# KiCad board 8851_HW-U1-VCU118_REV2-0_071417.kicad_pcb (continued)
## Routing (per net, layer and track width the routed paths; a pad name or vN(x,y) marks a point on that pad's centre or on a via; arc(x,y) is an arc through that point) (continued)
; 119.82,61.36 v2(120.31,60.87) ; U1.AE11 v2(103.58,62.84) ; v2(126.22,52.99) 125.73,53.49 ; 39.62,129.81 v3(39.62,129.08) ; J2.D3 v3(171.65,159.5) ; 122.77,44.63 v2(123.26,44.14) ; U141.K8 v2(93.73,111.54) ; 109.98,46.6 v2(109.49,46.11) ; v2(119.33,68.74) 118.84,68.25 ; 132.62,86.95 v2(133.11,87.44) ; 112.93,70.22 v2(112.44,70.71) ; 18.01,131.66 v6(18.41,131.27) ; R1324.2 v3(7.22,87.23) ; 124.74,44.63 v2(125.23,44.14) ; 161.38,92.77 v1(160.98,93.16) ; v2(113.42,58.9) 113.91,59.39 ; v2(122.28,80.55) 121.79,80.06 ; 66.52,96.17 66.52,95.81 66.83,95.5 v1(67.28,95.5) ; v2(125.23,50.04) 124.74,50.53 ; J22.Y9 v3(95.25,153.25) ; J2.B10 v3(162.9,157) ; J22.Y29 v3(70.25,153.25) ; 137.54,57.42 v2(138.03,56.93) ; J2.D28 v3(140.4,159.5) ; v2(112.44,51.03) U1.AU20 ; C555.2 70.15,56.16 ; v3(28.3,124.13) 29.77,124.13 30.05,124.4 30.05,124.75 29.8,125 v3(28.3,125) ; 95.21,60.38 v2(94.72,59.88) ; J22.L10 v3(94,168.25) ; v2(98.66,45.12) U1.BC6 ; 21.16,137.96 v6(21.56,138.36) ; 214.21,99.88 213.43,99.88 v2(213.14,100.17) ; v2(126.22,79.57) 125.73,79.08 ; U111.K10 v6(17.62,130.48) ; J22.L3 v3(102.75,168.25) ; J22.C28 v3(71.5,158.25) ; v2(114.41,52.01) 114.9,52.5 ; J22.A36 v3(61.5,155.75) ; R96.2 5.29,134.55 5.32,134.58 Q35.2 5.62,135.05 v3(6,135.43) ; 107.02,51.52 v2(106.53,51.03) ; 158.55,112.39 158.55,110.85 159.17,110.22 v3(159.92,110.22) ; v3(118.46,113.66) 116.5,113.66 ; v2(96.69,53.98) 97.18,54.47 ; J2.H15 v3(156.65,164.5) ; v3(148.75,109.17) 148.06,109.17 147.44,109.8 147.44,110.14 147.17,110.41 145.85,110.41 v3(145.08,109.65) ; J2.H24 v3(145.4,164.5) ; J22.Z3 v3(102.75,154.5) ; 57.13,85.17 v3(56.5,85.17) ; 122.17,138.84 123.08,138.84 v3(123.25,138.67) ; v3(35.02,101.41) 35.56,101.95 36.43,101.95 35.56,102.83 v3(35.04,102.83) ; 156.65,58.72 v1(156.26,58.32) ; v2(111.45,47.09) 111.95,47.58 ; v3(99.9,105.93) 101.03,105.93 101.33,106.23 101.33,106.63 101.03,106.93 100.09,106.93 v2(99.99,107.03) ; J2.G1 v3(174.15,163.25) ; v2(115.39,52.01) U1.AT23 ; 152.71,64.23 v1(152.32,64.62) ; J2.C28 v3(140.4,158.25) ; 74.63,117.78 v2(75.12,118.27) ; U1.AV37 v2(130.15,50.04) ; 68.72,108.92 v2(68.23,108.43) ; 215.71,95.65 v4(215.71,96.64) ; v2(101.61,58.9) 102.1,59.39 ; J22.A1 v3(105.25,155.75) ; v3(83.99,55.05) 83.99,55.05 C1756.2 ; J2.F24 v3(145.4,162) ; U2.A49 94.14,5.41 v3(93.65,5.9) ; J22.E29 v3(70.25,160.75) ; 111.95,79.08 v2(111.45,79.57) ; J2.K27 v3(141.65,167) ; v3(104,168.25) J22.L2 ; J22.Y8 v3(96.5,153.25) ; v1(67.28,89.99) 67.23,90.04 66.52,90.04 ; v2(120.31,79.57) 119.82,79.08 ; J22.J17 v3(85.25,165.75) ; J22.L38 v3(59,168.25) ; 129.66,84.98 v2(130.15,85.48) ; 71.68,115.81 v2(71.18,116.31) ; J22.D7 v3(97.75,159.5) ; v2(126.22,73.66) 125.73,73.17 ; J22.A20 v3(81.5,155.75) ; 156.65,44.84 v1(156.26,44.45) ; v2(137.04,86.46) 136.55,85.97 ; U1.BA38 v2(131.14,47.09) ; J22.J5 v3(100.25,165.75) ; J2.B38 v3(127.9,157) ; U1.D23 v2(115.39,84.49) ; 16.44,128.51 v6(16.83,128.12) ; 14.08,127.73 v6(13.68,127.33) ; U1.BD46 v2(139.01,44.14) ; J2.E26 v3(142.9,160.75) ; J2.A37 v3(129.15,155.75) ; J22.Y16 v3(86.5,153.25) ; Q43.5 v3(225.03,45.22) ; J22.F24 v3(76.5,162) ; 229.3,39.27 230.27,38.3 ; 229.3,39.27 228.33,40.24 ; 229.3,39.27 228.33,38.3 ; 229.3,39.27 228,39.27 ; 229.3,39.27 230.27,40.24 ; v2(131.14,44.14) 130.65,44.63 ; J22.H15 v3(87.75,164.5) ; J2.D39 v3(126.65,159.5) ; J22.G23 v3(77.75,163.25) ; v2(97.67,44.14) 98.17,44.63 ; 159.8,65.02 v1(159.41,65.41) ; v2(113.42,65.79) 113.91,65.3 ; 70.69,116.8 v2(70.2,117.29) ; 105.06,50.53 v2(104.56,50.04) ; J2.C24 v3(145.4,158.25) ; J2.C16 v3(155.4,158.25) ; 118.84,46.6 v2(119.33,46.11) ; 83.16,119.68 v3(82.4,119.68) ; v3(8.6,66.38) 8.87,66.64 9.87,66.64 ; v2(111.45,76.62) U1.M19 ; 132.62,47.58 v2(133.11,47.09) ; v3(81.62,81.07) 81.64,81.05 82.26,81.05 ; 34.98,129.74 v3(34.98,129.08) ; U141.D6 v2(90.78,118.43) ; J22.C24 v3(76.5,158.25) ; v3(81.56,57.42) 82.26,57.42 82.26,56.3 ; v2(99.64,65.79) 100.13,65.3 ; 121.49,31.76 v3(121.49,33.16) ; 121.49,31.76 120.11,31.76 ; 121.49,31.76 122.61,31.76 122.61,32.99 v3(122.85,33.23) ; J22.M36 v3(61.5,169.5) ; J2.E40 v3(125.4,160.75) ; U141.D2 v2(86.84,118.43) ; J2.F2 v3(172.9,162) ; J22.B10 v3(94,157) ; J22.K21 v3(80.25,167) ; v2(114.41,72.68) 114.9,72.19 ; 160.59,86.47 v1(160.98,86.07) ; v2(138.03,86.46) U1.B45 ; J22.F33 v3(65.25,162) ; U111.H10 v6(17.62,132.84) ; 215.71,105.9 v3(215.71,106.84) ; 112.93,81.05 v2(112.44,81.54) ; v3(12.69,117.06) 12.69,116.64 12.89,116.43 U124.A1 ; R460.2 v3(201.85,143.42) ; 72.77,64.4 v1(72.77,65.03) ; v2(96.69,82.52) U1.F4 ; 127.69,47.58 v2(128.19,47.09) ; v3(139.84,105.42) 139.84,104.96 140.15,104.65 141.45,104.65 141.76,104.34 141.76,103.67 141.76,102.42 ; v3(67.28,115.12) 66.15,115.12 65.78,114.76 66.33,114.2 v3(67.24,114.2) ; v2(125.23,66.77) 124.74,66.28 ; 82.26,79.8 81.64,79.8 v3(81.62,79.78) ; v2(97.67,43.15) 98.17,43.64 ; J22.M13 v3(90.25,169.5) ; 119.82,84 v2(120.31,84.49) ; 74.63,120.74 v2(75.12,121.23) ; J22.C12 v3(91.5,158.25) ; 107.02,84.98 v2(106.53,85.48) ; J2.K12 v3(160.4,167) ; 106.04,57.42 106.04,57.42 v2(105.55,56.93) ; v2(100.63,51.03) U1.AU8 ; 80.53,119.75 v2(81.03,120.24) ; v2(117.36,70.71) 116.87,70.22 ; v3(81.62,84.76) 81.62,84.78 81.64,84.8 82.26,84.8 ; v2(137.04,47.09) U1.BA44 ; 55.04,24.08 54.03,23.06 55.39,23.06 ; v2(138.03,84.49) U1.D45 ; 158.23,65.02 v1(157.83,65.41) ; v2(98.66,78.59) 99.15,78.09 ; v3(104,154.5) J22.Z2 ; 159.8,72.59 v1(160.19,72.2) ; U111.K7 v6(14.47,130.48) ; v3(52.55,137.98) 52.55,138 52.92,138.37 U19.12 ; J2.C17 v3(154.15,158.25) ; J22.A29 v3(70.25,155.75) ; v2(98.66,57.92) 99.15,58.41 ; 111.95,83.01 v2(111.45,83.51) ; J22.B3 v3(102.75,157) ; J22.L34 v3(64,168.25) ; v2(113.42,48.07) U1.AY21 ; 117.85,76.12 v2(118.34,76.62) ; v2(106.53,44.14) 107.02,44.63 ; J2.G20 v3(150.4,163.25) ; v2(136.06,73.66) 135.57,73.17 ; v3(147.88,103.38) 148.08,103.38 148.28,103.18 148.28,102.75 ; v3(63.47,83.05) 62.7,83.05 C519.2 62.59,83.81 v3(63.46,83.81) ; J2.B14 v3(157.9,157) ; 96.58,99.42 96.63,99.47 96.63,100.2 v3(96.58,100.25) ; J22.K33 v3(65.25,167) ; v2(138.03,67.76) 137.54,67.27 ; 82.26,88.42 81.67,88.42 v3(81.62,88.47) ; v3(60.02,129.03) 60.02,129.38 59.56,129.84 58.98,129.84 ; J2.G17 v3(154.15,163.25) ; 117.85,63.33 v2(118.34,62.84) ; v3(177.19,66.92) 176.94,66.67 C166.2 ; v3(124.82,107.22) 124.82,106.09 124.14,105.4 123.42,106.12 v3(123.42,107.22) ; v2(111.45,43.15) 111.95,43.64 ; J22.J35 v3(62.75,165.75) ; J2.J35 v3(131.65,165.75) ; U142.K2 v2(69.21,111.38) ; 152.71,50.35 v1(152.32,50.75) ; v3(91.55,100.17) 91.55,100.08 91.58,100.05 91.58,99.42 ; J22.J32 v3(66.5,165.75) ; v2(127.2,49.06) U1.AW34 ; v2(98.66,49.06) U1.AW6 ; v2(132.12,82.52) 131.63,82.03 ; J2.E1 v3(174.15,160.75) ; v2(134.09,79.57) U1.J41 ; J2.K3 v3(171.65,167) ; J22.D10 v3(94,159.5) ; v2(134.09,82.52) U1.F41 ; X6.2 165.77,23.28 v3(166.04,23.55) ; v3(98.01,100.19) 98.01,100.14 97.97,100.1 97.97,100.09 97.83,99.95 97.83,99.42 ; v3(44.44,144.51) 44.27,144.33 44.27,143.84 ; J2.C20 v3(150.4,158.25) ; 100.47,128.08 J105.6 101.44,128.41 ; v2(121.3,70.71) 120.8,70.22 ; 156.65,86.47 v1(156.26,86.07) ; 123.76,44.63 v2(124.25,44.14) ; 109.98,63.33 v2(109.49,62.84) ; 155.08,73.38 v1(154.68,72.99) ; U141.L9 v2(94.71,110.55) ; 82.26,63.55 v3(81.62,63.55) ; 7.05,139.29 v3(7.92,139.29) ; v3(225.28,46.18) 224.96,45.86 Q43.6 ; v2(112.44,87.44) 112.93,86.95 ; 99.15,82.03 v2(98.66,82.52) ; 66.52,40.67 66.52,40.17 v3(66.32,39.97) ; 70.01,87.8 70.01,87.29 v3(71.04,86.26) ; v2(125.23,78.59) 124.74,78.09 ; v2(102.6,45.12) 103.09,45.61 ; v2(113.42,42.17) 113.91,42.66 ; Q3.2 v3(3.5,127.95) ; v3(208.75,53.72) 209.04,54.02 209.04,54.55 ; U141.E1 v2(85.85,117.44) ; v2(125.23,86.46) 124.74,85.97 ; J22.L18 v3(84,168.25) ; J22.E26 v3(74,160.75) ; J2.A9 v3(164.15,155.75) ; 117.85,52.5 v2(118.34,52.01) ; 154.29,37.02 v1(153.9,37.41) ; EMICAGE1.13 v3(221.08,123.55) ; 106.04,77.11 v2(105.55,77.6) ; v3(143.23,118.86) 143.23,119.29 143.62,119.68 ; v3(132.57,145.28) 131.61,145.28 130.94,144.6 C957.2 131.64,143.45 v3(132.57,143.45) ; 44.07,171.1 46.18,171.1 ; 44.07,171.1 41.96,171.1 ; 44.07,171.1 45.62,169.56 ; v2(126.22,84.49) U1.D33 ; U141.G8 v2(93.73,115.47) ; J2.G29 v3(139.15,163.25) ; 158.23,30.72 v1(157.83,30.32) ; v3(72.34,98.82) 72.19,98.82 72.07,98.94 72.07,99.52 ; U1.C41 v2(134.09,85.48) ; v2(100.63,50.04) 101.12,50.53 ; 200.38,144.55 v3(200.38,143.68) ; 155.86,32.29 v1(155.47,32.68) ; 80.54,109.91 v2(81.03,109.41) ; J22.C38 v3(59,158.25) ; 105.06,85.97 v2(104.56,86.46) ; v2(101.61,85.48) 102.1,84.98 ; 214.21,112.25 v2(213.34,112.25) ; C190.2 46.73,128.83 v3(47.25,128.3) ; v2(100.63,44.14) 101.12,44.63 ; v2(117.36,68.74) 116.87,68.25 ; 121.79,78.09 v2(122.28,78.59) ; U111.L5 v6(12.9,129.69) ; v2(124.25,78.59) 123.76,78.09 ; J22.B19 v3(82.75,157) ; U1.D41 v2(134.09,84.49) ; 155.86,44.84 v1(155.47,44.45) ; v3(126.92,29.7) 126.62,30 126.62,30.81 ; U1.K15 v2(107.52,78.59) ; U1.E20 v2(112.44,83.51) ; 134.58,86.95 v2(135.08,87.44) ; 103.09,85.97 v2(102.6,86.46) ; 159.8,58.72 v1(160.19,58.32) ; EMICAGE1.5 v3(176.91,77.5) ; 77.58,113.85 v2(78.07,113.35) ; J22.C29 v3(70.25,158.25) ; v2(128.19,43.15) 127.69,43.64 ; 155.86,50.35 v1(155.47,50.75) ; v3(47.83,134.6) 48.33,135.1 48.7,135.1 48.95,135.35 48.95,135.63 48.71,135.88 48.2,135.88 v3(47.75,135.43) ; 129.66,84 v2(130.15,84.49) ; v2(97.67,71.7) U1.U5 ; 129.66,61.36 v2(130.15,60.87) ; v3(211.71,110.75) 211.31,111.14 210.59,111.14 ; C700.2 70.15,97.78 ; J22.B39 v3(57.75,157) ; 134.58,47.58 v2(135.08,47.09) ; v3(132.15,96.67) 132.06,96.67 131.97,96.76 131.69,96.76 130.69,97.76 C169.2 131.43,99.04 v3(132.13,99.04) ; 158.23,86.47 v1(157.83,86.07) ; 73.07,102.89 72.82,102.64 v3(72.82,102.18) ; v2(133.11,82.52) 132.62,82.03 ; 121.79,57.42 121.79,57.42 v2(122.28,56.93) ; C1235.2 66.72,111.98 v3(66.72,111.3) ; 200.66,153.47 v3(199.91,154.22) ; 159.8,78.89 v1(159.41,79.28) ; J2.G38 v3(127.9,163.25) ; U141.A12 v2(97.67,121.38) ; 169.11,38.31 168.55,38.31 168.18,38.68 v3(168.07,38.68) ; v2(118.34,80.55) 117.85,80.06 ; U133.10 v3(150.65,18.27) ; 121.79,42.66 v2(122.28,43.15) 121.79,43.64 ; v2(114.41,44.14) 114.9,44.63 ; 122.77,46.6 v2(123.26,46.11) ; 114.75,27.11 116.13,27.11 116.48,27.46 v3(116.48,27.68) ; 169.12,41.04 168.31,41.04 v3(168.2,41.15) ; v2(102.6,55.95) U1.AM10 ; v2(115.39,57.92) U1.AK23 ; J2.D25 v3(144.15,159.5) ; 115.88,75.14 v2(115.39,75.63) ; 125.31,137.65 v3(125.31,136.57) ; v3(114.08,110.1) 114.2,109.98 114.2,109.17 C462.2 112.7,108.4 112.7,110.1 v3(112.7,110.1) ; v2(139.01,63.82) U1.AD46 ; J22.D19 v3(82.75,159.5) ; 106.04,84.98 v2(105.55,85.48) ; J2.J8 v3(165.4,165.75) ; J2.G4 v3(170.4,163.25) ; U141.B2 v2(86.84,120.4) ; 156.65,30.72 v1(156.26,30.32) ; 124.74,56.44 v2(125.23,55.95) ; 128.68,50.53 v2(129.17,50.04) ; J22.K15 v3(87.75,167) ; J2.A17 v3(154.15,155.75) ; v2(119.33,82.52) 118.84,82.03 ; v6(16.83,127.33) 16.44,127.73 ; v3(82.08,27.3) X5.2 ; J2.K21 v3(149.15,167) ; 38.8,116.21 38.8,117.23 v3(39,117.42) ; v2(130.15,82.52) U1.F37 ; v3(77.8,19.25) 78.13,19.58 78.13,20.18 ; J22.Z10 v3(94,154.5) ; v3(151.65,157) J2.B19 ; 119.82,57.42 119.82,57.42 v2(120.31,56.93) ; v3(114.65,100.17) 114.62,100.14 114.62,99.42 ; J2.A25 v3(144.15,155.75) ; Q41.2 v3(207.4,152.75) ; U1.AU10 v2(102.6,51.03) ; v3(167.47,99.97) 167.47,99.22 166.94,98.69 C170.2 166.94,97.86 167.5,97.3 v3(168.12,97.3) ; v2(128.19,81.54) 127.69,81.05 ; J2.F6 v3(167.9,162) ; U141.B12 v2(97.67,120.4) ; J2.C36 v3(130.4,158.25) ; v3(124.41,5.9) 124.66,5.65 U2.B80 ; J22.M25 v3(75.25,169.5) ; J2.E38 v3(127.9,160.75) ; J22.Z39 v3(57.75,154.5) ; J22.B23 v3(77.75,157) ; v2(110.47,57.92) 110.96,58.41 ; v3(145.83,99.19) 146.48,98.54 148.38,98.54 ; J2.A40 v3(125.4,155.75) ; EMICAGE1.16 v3(180.29,121.78) ; 126.71,46.6 v2(127.2,46.11) ; v2(108.5,68.74) 108.99,68.25 ; 155.08,87.25 v1(154.68,86.86) ; J22.Z14 v3(89,154.5) ; 45.71,83.9 v3(45.71,82.61) ; J22.D6 v3(99,159.5) ; 97.18,84.98 v2(96.69,85.48) ; 98.17,81.05 v2(97.67,81.54) ; 140.12,30.68 v3(140.12,29.93) ; v2(119.33,70.71) 118.84,70.22 ; v3(38,143.48) 37.62,143.86 C78.2 ; J2.G11 v3(161.65,163.25) ; v2(132.12,44.14) U1.BD39 ; J22.H6 v3(99,164.5) ; v2(103.58,44.14) 104.07,44.63 ; U1.H21 v2(113.42,80.55) ; J22.M17 v3(85.25,169.5) ; J22.J23 v3(77.75,165.75) ; v3(110.94,105.79) 110.94,104.68 110.05,103.8 109.18,104.67 v3(109.18,105.79) ; 100.92,99.42 v3(100.92,100.17) ; J22.K9 v3(95.25,167) ; J22.L15 v3(87.75,168.25) ; v3(81.38,89.51) 81.28,89.51 80.38,88.6 80.2,88.6 80.02,88.42 78.89,88.42 ; U1.AR1 v2(93.74,52.99) ; J2.B23 v3(146.65,157) ; 134.58,46.6 v2(135.08,46.11) ; 162.16,72.59 v1(162.56,72.2) ; J2.B7 v3(166.65,157) ; J2.C34 v3(132.9,158.25) ; J2.J26 v3(142.9,165.75) ; J22.E23 v3(77.75,160.75) ; 24.58,88.9 24.58,90.2 ; 24.58,88.9 23.61,87.93 ; 24.58,88.9 23.28,88.9 ; 24.58,88.9 23.61,89.87 ; 24.58,88.9 25.55,87.93 ; U1.D13 v2(105.55,84.49) ; v2(113.42,43.15) 113.91,43.64 ; v3(104,157) J22.B2 ; v2(110.47,86.46) 110.96,85.97 ; J22.C8 v3(96.5,158.25) ; v2(137.04,59.88) U1.AH44 ; 161.38,65.02 v1(160.98,65.41) ; J22.E32 v3(66.5,160.75) ; 214.21,82 v3(213.47,82) ; v2(100.63,85.48) 101.12,84.98 ; v3(80.85,42.95) 81.18,42.62 81.74,42.62 ; EMICAGE1.7 v3(201.91,77.5) ; J2.K30 v3(137.9,167) ; U1.BA3 v2(95.71,47.09) ; v2(135.08,82.52) 134.58,82.03 ; 104.07,47.58 v2(103.58,47.09) ; J22.C4 v3(101.5,158.25) ; J22.Z11 v3(92.75,154.5) ; 120.11,31.76 118.86,31.76 ; v3(67,106.38) 66.04,106.38 65.51,106.92 66.04,107.45 66.85,107.45 v3(67.03,107.27) ; v2(95.71,42.17) U1.BF3 ; J22.G26 v3(74,163.25) ; 127.69,52.5 v2(128.19,52.01) ; 121.79,61.36 v2(122.28,60.87) ; 79.55,111.88 v2(80.04,111.38) ; J2.K6 v3(167.9,167) ; J2.K33 v3(134.15,167) ; U1.AC17 v2(109.49,65.79) ; J22.E40 v3(56.5,160.75) ; J22.A21 v3(80.25,155.75) ; 117.85,57.42 117.85,57.42 v2(118.34,56.93) ; v3(7.21,115.68) 7.21,116.81 7.48,117.08 8.07,117.08 8.46,116.68 v3(8.46,115.68) ; v2(134.09,42.17) U1.BF41 ; 108.99,86.95 v2(108.5,87.44) ; v2(97.67,49.06) 98.17,49.55 ; J22.F15 v3(87.75,162) ; 156.65,31.5 v1(156.26,31.11) ; v2(110.47,85.48) 110.96,84.98 ; v2(136.06,85.48) 135.57,84.98 ; v2(124.25,58.9) 123.76,59.39 ; J22.Y17 v3(85.25,153.25) ; J22.Y25 v3(75.25,153.25) ; J22.H27 v3(72.75,164.5) ; v3(88.95,100.17) 89.08,100.05 89.08,99.42 ; 168.8,25.52 v3(166.87,25.52) ; J22.E11 v3(92.75,160.75) ; J2.D35 v3(131.65,159.5) ; v2(115.39,54.96) 115.88,55.46 ; v2(122.28,54.96) 121.79,55.46 ; U141.M2 v2(86.84,109.57) ; v3(52.75,127.43) 52.75,128.15 52.33,128.57 51.87,128.11 v3(51.87,127.43) ; U111.E7 v6(14.47,135.21) ; 159.63,14.85 v3(159.63,14.16) ; 121.79,63.33 v2(122.28,62.84) ; v3(74.21,5.9) 74.46,5.65 U2.B29 ; v4(215.51,89.8) 215.71,90 215.71,90.97 ; 130.65,85.97 v2(131.14,86.46) ; 120.8,64.31 v2(121.3,63.82) ; v3(14.28,147.53) 14.28,146.75 13.65,146.13 13.03,146.75 v3(13.03,147.53) ; v2(95.71,56.93) 96.2,57.42 U1.AL3 ; J2.H27 v3(141.65,164.5) ; 83.25,54.03 v3(83.98,54.03) ; J22.D39 v3(57.75,159.5) ; v2(112.44,45.12) 112.93,45.61 ; U141.N13 v2(98.65,108.59) ; v5(52.61,57.49) 52.41,57.68 51.16,57.68 ; v2(111.45,85.48) 111.95,84.98 ; J2.B26 v3(142.9,157) ; J22.Y20 v3(81.5,153.25) ; v3(130.53,29.44) 130,29.96 129.39,29.96 129,30.35 129,30.68 ; 152.71,73.38 v1(152.32,72.99) ; J2.C4 v3(170.4,158.25) ; v2(102.6,80.55) U1.H10 ; J22.G4 v3(101.5,163.25) ; R65.2 v3(44.37,135.55) ; v2(110.47,49.06) 110.96,49.55 ; v3(108.25,29.93) 107.75,30.43 107.75,30.81 ; v2(115.39,83.51) 115.88,83.01 ; v2(108.5,44.14) 108.99,44.63 ; v2(113.42,63.82) U1.AD21 ; U1.BC32 v2(125.23,45.12) ; 155.86,78.1 v1(155.47,78.5) ; v2(111.45,60.87) 111.95,61.36 ; v2(128.19,83.51) 127.69,83.01 ; v3(66.62,98.75) 66.82,98.95 66.82,99.52 ; v2(104.56,70.71) 105.06,70.22 ; J22.K6 v3(99,167) ; v2(107.52,43.15) 108.01,43.64 ; 112.93,68.25 v2(112.44,68.74) ; 85.32,99.52 85.32,99.19 85.7,98.82 v3(85.95,98.82) ; C560.2 70.15,42.28 ; J22.A37 v3(60.25,155.75) ; v2(131.14,68.74) 130.65,68.25 ; 57.13,88.55 v3(56.45,88.55) ; J2.D22 v3(147.9,159.5) ; 106.04,51.52 v2(105.55,51.03) ; J2.A16 v3(155.4,155.75) ; v2(128.19,44.14) 127.69,44.63 ; 113.91,67.27 v2(113.42,67.76) ; v3(189.53,77.95) 189.98,77.5 EMICAGE1.6 ; 165.37,17.62 165.64,17.62 166,17.98 v3(166,18.68) ; v2(112.44,46.11) 112.93,46.6 ; U2.A4 v3(47.88,7.02) ; 134.58,85.97 v2(135.08,86.46) ; 110.96,70.22 v2(110.47,70.71) ; J2.J4 v3(170.4,165.75) ; v2(126.22,48.07) 125.73,48.57 ; v2(109.49,67.76) 109.98,67.27 ; J2.E11 v3(161.65,160.75) ; 69.71,117.78 v2(69.21,118.27) ; v2(115.39,42.17) U1.BF23 ; DS2.2 v3(222.88,169.18) ; J22.A40 v3(56.5,155.75) ; J2.A4 v3(170.4,155.75) ; v2(139.01,82.52) U1.F46 ; U111.J7 v6(14.47,131.27) ; 26.68,155.19 v3(26.68,156.03) ; J2.A36 v3(130.4,155.75) ; v3(86.45,102.1) 85.91,102.64 85.32,102.64 ; 49.22,138.38 v3(50.15,137.45) ; 155.86,60.29 v1(155.47,60.68) ; 90.33,99.42 90.33,100.05 v3(90.2,100.17) ; 109.98,61.36 v2(109.49,60.87) ; 120.8,62.35 v2(121.3,61.85) ; v2(135.08,44.14) 134.58,44.63 ; 107.02,74.16 v2(106.53,74.65) ; J2.G32 v3(135.4,163.25) ; 82.26,55.05 v3(81.62,55.05) ; U141.G6 v2(90.78,115.47) ; J22.F3 v3(102.75,162) ; v2(100.63,86.46) 101.12,85.97 ; U141.E3 v2(87.82,117.44) ; 72.78,91.47 73.48,91.47 v1(73.58,91.56) ; 118.84,51.52 v2(119.33,51.03) ; 116.87,76.12 v2(117.36,76.62) ; v2(127.2,85.48) 126.71,84.98 ; J22.A12 v3(91.5,155.75) ; U142.B4 v2(71.18,120.24) ; v2(99.64,54.96) U1.AN7 ; v2(115.39,79.57) 115.88,79.08 ; 108.99,51.52 v2(108.5,51.03) ; v2(110.47,72.68) 110.96,72.19 ; 119.82,65.3 v2(120.31,65.79) ; v2(110.47,46.11) 110.96,46.6 ; 117.85,48.57 v2(118.34,48.07) ; J22.J11 v3(92.75,165.75) ; J22.C20 v3(81.5,158.25) ; U1.B4 v2(96.69,86.46) ; v2(100.63,49.06) 101.12,49.55 ; 152.71,91.98 v1(152.32,92.37) ; v2(101.61,48.07) 102.1,48.57 ; 104.07,51.52 v2(103.58,51.03) ; J2.H9 v3(164.15,164.5) ; J22.L11 v3(92.75,168.25) ; 74.63,115.81 v2(75.12,116.31) ; 156.65,45.63 v1(156.26,45.24) ; J22.L14 v3(89,168.25) ; J22.K36 v3(61.5,167) ; v2(72.17,110.4) U142.L5 ; 115.88,65.3 v2(115.39,65.79) ; v3(71.68,136.71) 72.98,136.71 73.61,137.34 72.37,138.58 v3(71.53,138.58) ; J2.K9 v3(164.15,167) ; U141.C9 v2(94.71,119.41) ; 141.1,20.81 v3(141.85,20.81) ; J22.G17 v3(85.25,163.25) ; J2.F12 v3(160.4,162) ; 115.88,71.2 v2(115.39,71.7) ; J2.D6 v3(167.9,159.5) ; J22.Z15 v3(87.75,154.5) ; U1.AW14 v2(106.53,49.06) ; 100.13,82.03 v2(99.64,82.52) ; 108.01,51.52 v2(107.52,51.03) ; J22.Z30 v3(69,154.5) ; v2(134.09,43.15) U1.BE41 ; v2(100.63,52.01) 101.12,52.5 ; 152.71,78.1 v1(152.32,78.5) ; J2.G23 v3(146.65,163.25) ; R64.2 R63.2 ; R63.2 v3(44.37,140.93) ; R63.2 R62.2 ; v3(104,162) J22.F2 ; J2.B6 v3(167.9,157) ; U142.L9 v2(77.09,110.4) ; v2(114.41,77.6) U1.L22 ; 77.49,75.41 76.51,75.41 C1053.2 76.51,75.55 v1(75.94,76.11) ; 74.63,111.88 v2(75.12,111.38) ; J22.K30 v3(69,167) ; v2(125.23,51.03) 124.74,51.52 ; J22.D35 v3(62.75,159.5) ; v2(106.53,53.98) 107.02,54.47 ; 112.93,66.28 v2(112.44,66.77) ; Q37.2 v3(203.21,152.7) ; C1052.2 68.88,74.81 69.45,74.25 ; v2(123.26,72.68) 122.77,72.19 ; v3(173.14,39.44) 173.51,39.81 174.13,39.81 174.13,38.78 ; J2.J11 v3(161.65,165.75) ; 115.88,73.17 v2(115.39,73.66) ; v2(99.64,49.06) 100.13,49.55 ; 198.53,153.97 v3(197.56,154.94) ; J2.A8 v3(165.4,155.75) ; v2(101.61,42.17) 102.1,42.66 ; J22.Y32 v3(66.5,153.25) ; 206.83,109.11 v3(205.89,109.11) ; v4(215.71,86.39) 215.71,85.4 ; EMICAGE1.3 v3(167.96,94.27) ; 115.88,63.33 v2(115.39,62.84) ; 118.84,76.12 v2(119.33,76.62) ; 120.8,86.95 v2(121.3,87.44) ; J2.E14 v3(157.9,160.75) ; J22.M1 v3(105.25,169.5) ; J22.L6 v3(99,168.25) ; J22.J20 v3(81.5,165.75) ; 97.18,47.58 v2(96.69,47.09) ; v2(117.36,44.14) 116.87,44.63 ; J2.H18 v3(152.9,164.5) ; v3(168.65,103.45) 168.65,104.16 169.76,105.27 EMICAGE1.2 ; J22.M9 v3(95.25,169.5) ; SW4.4 98.98,129.82 v3(101.42,129.82) ; v2(109.49,43.15) 109.98,43.64 ; J2.F18 v3(152.9,162) ; 119.82,59.39 v2(120.31,58.9) ; 141.12,111.43 141.71,111.43 v3(142.01,111.13) ; U1.AD36 v2(129.17,63.82) ; J22.C36 v3(61.5,158.25) ; 152.71,59.5 v1(152.32,59.11) ; J22.Y5 v3(100.25,153.25) ; J2.G40 v3(125.4,163.25) ; J22.E35 v3(62.75,160.75) ; J2.K24 v3(145.4,167) ; J22.E38 v3(59,160.75) ; v2(114.41,49.06) 114.9,49.55 ; 161.38,78.89 v1(160.98,79.28) ; J22.Z22 v3(79,154.5) ; J2.B30 v3(137.9,157) ; v2(127.2,82.52) 126.71,82.03 ; 105.06,46.6 v2(104.56,46.11) ; J2.K15 v3(156.65,167) ; 155.86,30.72 v1(155.47,30.32) ; v2(123.26,82.52) 122.77,82.03 ; v3(10.1,67.7) 10.99,67.7 11.57,67.12 ; v2(72.17,115.32) 72.66,114.83 ; 119.82,77.11 v2(120.31,77.6) ; v2(128.19,82.52) 127.69,82.03 ; v2(123.26,59.88) 122.77,60.38 ; J22.C9 v3(95.25,158.25) ; v2(102.6,81.54) 103.09,81.05 ; 119.82,63.33 v2(120.31,62.84) ; U1.AD4 v2(96.69,63.82) ; v2(136.06,82.52) 135.57,82.03 ; v2(123.26,49.06) 122.77,49.55 ; U141.E11 v2(96.68,117.44) ; U141.K2 v2(86.84,111.54) ; v2(94.72,80.55) 95.21,80.06 ; J2.B15 v3(156.65,157) ; 14.08,133.24 v6(13.68,133.63) ; J2.A29 v3(139.15,155.75) ; J2.J32 v3(135.4,165.75) ; J22.K12 v3(91.5,167) ; v3(185.66,58.43) C1596.2 ; J22.Y40 v3(56.5,153.25) ; J22.F6 v3(99,162) ; v3(92.92,100.17) 92.83,100.08 92.83,99.42 ; v2(120.31,54.96) 119.82,55.46 ; J2.F21 v3(149.15,162) ; J22.M37 v3(60.25,169.5) ; 169.3,54.3 v3(170.69,54.3) ; U1.AJ24 v2(117.36,58.9) ; v3(211.71,80) 211.31,80.39 210.59,80.39 ; J22.M29 v3(70.25,169.5) ; v2(96.69,44.14) U1.BD4 ; U1.BE43 v2(136.06,43.15) ; J2.E17 v3(154.15,160.75) ; J2.J17 v3(154.15,165.75) ; 117.85,71.2 v2(118.34,71.7) ; v2(99.64,75.63) U1.N7 ; v3(52.52,138.9) 52.64,139.01 U19.11 ; 155.86,51.14 v1(155.47,51.53) ; v2(127.2,80.55) 126.71,80.06 ; 82.26,83.55 v3(81.62,83.55) ; v3(129.4,124.72) 130.4,124.72 130.69,124.43 130.69,123.92 130.69,123.44 130.42,123.17 v3(129.48,123.17) ; v2(110.47,63.82) U1.AD18 ; 121.79,48.57 v2(122.28,48.07) ; v2(119.33,57.92) 118.84,58.41 ; 76.6,108.92 v2(77.09,108.43) ; 118.84,86.95 v2(119.33,87.44) ; 116.87,60.38 v2(117.36,59.88) ; U1.BB15 v2(107.52,46.11) ; v2(110.47,76.62) 110.96,76.12 ; 20.38,132.45 v6(20.77,132.84) ; J22.Y21 v3(80.25,153.25) ; 104.07,84.98 v2(103.58,85.48) ; J22.J1 v3(105.25,165.75) ; J2.G5 v3(169.15,163.25) ; v2(97.67,47.09) 98.17,47.58 ; J2.D37 v3(129.15,159.5) ; v2(113.42,71.7) 113.91,71.2 ; v2(122.28,69.73) 121.79,69.24 ; v2(122.28,67.76) 121.79,67.27 ; v2(132.12,83.51) 131.63,83.01 ; v2(128.19,80.55) 127.69,80.06 ; v3(78.13,32.92) 80.02,32.92 ; 126.71,44.63 v2(127.2,44.14) ; J22.H21 v3(80.25,164.5) ; J2.J23 v3(146.65,165.75) ; v4(214.4,86) 214.4,85.3 214.21,85.11 ; J22.F12 v3(91.5,162) ; J22.F21 v3(80.25,162) ; 128.68,86.95 v2(129.17,87.44) ; v2(94.72,45.12) U1.BC2 ; J22.C34 v3(64,158.25) ; 116.87,46.6 v2(117.36,46.11) ; C699.2 71.69,89.28 72,89.6 v1(72,89.99) ; J22.Z38 v3(59,154.5) ; U1.BA2 v2(94.72,47.09) ; U141.J3 v2(87.82,112.52) ; 83.25,67.2 83.89,67.2 v3(84,67.09) ; 215.71,111.47 v3(215.71,110.53) ; 115.88,84.98 v2(115.39,85.48) ; 33,144.03 v3(33,143.18) ; 116.59,122.45 v3(118.1,122.45) ; 77.13,122.92 77.13,121.27 v2(77.09,121.23) 76.6,120.74 ; J22.F39 v3(57.75,162) ; J22.B27 v3(72.75,157) ; v2(124.25,47.09) 123.76,47.58 ; J22.A28 v3(71.5,155.75) ; J22.L19 v3(82.75,168.25) ; 120.8,85.97 v2(121.3,86.46) ; v2(105.55,43.15) 106.04,43.64 ; J22.Z6 v3(99,154.5) ; J22.Z23 v3(77.75,154.5) ; 158.23,44.84 v1(157.83,44.45) ; U142.B10 v2(78.07,120.24) ; J2.F39 v3(126.65,162) ; J22.B22 v3(79,157) ; v2(104.56,82.52) 105.06,82.03 ; 135.57,44.63 v2(136.06,44.14) ; 115.88,76.12 v2(115.39,76.62) ; Q36.2 v3(211.68,152.72) ; J22.A24 v3(76.5,155.75) ; J22.J40 v3(56.5,165.75) ; U2.B47 92.18,5.52 v3(91.8,5.9) ; J22.M16 v3(86.5,169.5) ; C872.2 v3(18.11,115.41) ; 106.04,48.57 v2(105.55,48.07) ; U1.C1 v2(93.74,85.48) ; J2.G14 v3(157.9,163.25) ; 111.95,67.27 v2(111.45,67.76) ; v2(126.22,80.55) 125.73,80.06 ; 79.55,117.78 v2(80.04,118.27) ; 123.76,43.64 v2(124.25,43.15) ; J22.B11 v3(92.75,157) ; v3(4.46,115.68) 4.46,116.81 4.73,117.08 5.19,117.08 5.71,116.56 v3(5.71,115.68) ; U1.AR26 v2(119.33,52.99) ; 162.16,44.84 v1(162.56,44.45) ; 105.06,60.38 v2(104.56,59.88) ; 162.16,58.72 v1(162.56,58.32) ; v3(61.17,5.9) 61.66,5.41 U2.B16 ; v2(127.2,59.88) 126.71,60.38 ; 118.84,64.31 v2(119.33,63.82) ; J22.K39 v3(57.75,167) ; U1.BC44 v2(137.04,45.12) ; 115.88,61.36 v2(115.39,60.87) ; J2.A24 v3(145.4,155.75) ; J22.M12 v3(91.5,169.5) ; 214.21,79.88 213.26,79.88 v2(212.92,80.22) ; 55.39,48.24 54.03,48.24 55.04,49.25 ; 110.07,99.42 v3(110.07,100.17) ; J22.E20 v3(81.5,160.75) ; v2(118.34,67.76) 117.85,67.27 ; v2(101.61,43.15) 102.1,43.64 ; 66.52,82.29 v3(65.76,82.29) ; J2.C38 v3(127.9,158.25) ; v3(88.53,129.59) 88.77,129.83 SW4.3 ; 158.23,72.59 v1(157.83,72.2) ; J2.E5 v3(169.15,160.75) ; 158.23,58.72 v1(157.83,58.32) ; J2.B2 v3(172.9,157) ; 128.68,51.52 v2(129.17,51.03) ; J22.B26 v3(74,157) ; U142.B2 v2(69.21,120.24) ; U141.B10 v2(95.7,120.4) ; 156.65,87.25 v1(156.26,86.86) ; 152.71,45.63 v1(152.32,45.24) ; J2.B35 v3(131.65,157) ; J2.H21 v3(149.15,164.5) ; 129.66,49.55 v2(130.15,49.06) ; U141.N1 v2(85.85,108.58) ; C1620.2 v3(165.83,126.22) ; v2(120.31,83.51) 119.82,83.01 ; J2.J40 v3(125.4,165.75) ; 154.29,92.77 v1(153.9,93.16) ; 138.07,112.56 v3(137.32,112.56) ; J22.H30 v3(69,164.5) ; 31.25,142.12 v3(31.25,142.9) ; Q6.2 v3(216.27,152.77) ; 117.85,61.36 v2(118.34,60.87) ; v1(72,48.36) 72.13,48.24 C491.2 ; 121.79,59.39 v2(122.28,58.9) ; 120.8,51.52 v2(121.3,51.03) ; J22.K18 v3(84,167) ; 155.86,64.23 v1(155.47,64.62) ; v2(99.64,43.15) 100.13,43.64 ; 155.08,78.1 v1(154.68,78.5) ; J2.A1 v3(174.15,155.75) ; 159.8,44.84 v1(160.19,44.45) ; v2(107.52,42.17) 108.01,42.66 ; J22.A25 v3(75.25,155.75) ; J22.G8 v3(96.5,163.25) ; 108.01,71.2 v2(107.52,71.7) ; J22.H36 v3(61.5,164.5) ; v2(117.36,81.54) U1.G24 ; 153.5,45.63 v1(153.11,45.24) ; 155.86,88.04 v1(155.47,88.43) ; v2(111.45,58.9) 111.95,59.39 ; 127.69,77.11 v2(128.19,77.6) ; 121.79,65.3 v2(122.28,65.79) ; J22.B30 v3(69,157) ; J2.B31 v3(136.65,157) ; J2.J38 v3(127.9,165.75) ; J22.E8 v3(96.5,160.75) ; J2.K39 v3(126.65,167) ; 158.23,78.89 v1(157.83,79.28) ; J22.Y28 v3(71.5,153.25) ; 97.18,46.6 v2(96.69,46.11) ; J22.Y1 v3(105.25,153.25) ; v2(95.71,83.51) U1.E3 ; 156.65,59.5 v1(156.26,59.11) ; v4(213.39,110.3) 213.56,110.13 214.21,110.13 ; 159.8,51.14 v1(159.41,51.53) ; J22.Z7 v3(97.75,154.5) ; 155.86,36.23 v1(155.47,36.62) ; J22.G40 v3(56.5,163.25) ; J22.Z18 v3(84,154.5) ; v2(97.67,84.49) U1.D5 ; J2.H6 v3(167.9,164.5) ; 82.26,44.92 v3(82.26,44.21) ; J22.A9 v3(95.25,155.75) ; v2(131.14,57.92) 130.65,58.41 ; 25.3,122.75 25.3,123.7 v3(25.8,124.2) ; v2(103.58,42.17) 104.07,42.66 ; U1.E7 v2(99.64,83.51) ; J22.E1 v3(105.25,160.75) ; 155.86,91.98 v1(155.47,92.37) ; J2.B34 v3(132.9,157) ; J2.E29 v3(139.15,160.75) ; U141.K12 v2(97.67,111.54) ; 118.84,60.38 v2(119.33,59.88) ; v3(104,167) J22.K2 ; J22.L31 v3(67.75,168.25) ; J2.D13 v3(159.15,159.5) ; U1.A3 v2(95.71,87.44) ; J2.F30 v3(137.9,162) ; J22.C25 v3(75.25,158.25) ; v2(114.41,61.85) 114.9,62.35 ; v2(106.53,82.52) 107.02,82.03 ; J2.C32 v3(135.4,158.25) ; v2(111.45,71.7) 111.95,71.2 ; C134.2 v3(44.37,136.74) ; J2.H3 v3(171.65,164.5) ; J2.D7 v3(166.65,159.5) ; 116.87,51.52 v2(117.36,51.03) ; v3(71.33,71.45) 71.03,71.16 C953.2 ; J2.H33 v3(134.15,164.5) ; v2(128.19,67.76) U1.AA35 ; U1.AW41 v2(134.09,49.06) ; J22.F18 v3(84,162) ; v2(110.47,59.88) 110.96,60.38 ; v2(127.2,86.46) 126.71,85.97 ; v2(98.66,44.14) U1.BD6 ; U1.AM25 v2(118.34,55.95) ; 161.38,51.14 v1(160.98,51.53) ; 141.1,21.79 v3(141.85,21.79) ; 79.55,109.91 v2(80.04,109.41) ; 154.29,65.02 v1(153.9,65.41) ; 164.53,44.84 v1(164.92,44.45) ; U141.D12 v2(97.67,118.43) ; 215.71,101.22 v3(215.71,100.28) ; U1.C3 v2(95.71,85.48) ; v2(136.06,47.09) U1.BA43 ; v3(70.09,103.88) 69.32,103.88 ; J2.C21 v3(149.15,158.25) ; J2.A33 v3(134.15,155.75) ; 18.01,134.81 v6(18.41,135.21) ; v2(112.44,61.85) 112.93,62.35 ; 78.57,116.8 v2(79.06,117.29) ; 110.96,83.01 v2(110.47,83.51) ; 118.84,72.19 v2(119.33,72.68) ; 155.86,92.77 v1(155.47,93.16) ; J22.D3 v3(102.75,159.5) ; J2.C12 v3(160.4,158.25) ; 133.6,59.39 v2(134.09,58.9) ; 105.06,51.52 v2(104.56,51.03) ; Q17.2 v3(205.21,152.7) ; v2(123.26,78.59) 122.77,78.09 ; v2(115.39,67.76) 115.88,67.27 ; U141.M10 v2(95.7,109.57) ; 108.55,99.42 v3(108.55,100.17) ; J22.Z26 v3(74,154.5) ; v2(121.3,57.92) 120.8,58.41 ; J22.L30 v3(69,168.25) ; v2(137.04,82.52) U1.F44 ; 156.65,73.38 v1(156.26,72.99) ; J22.M4 v3(101.5,169.5) ; v3(77.66,5.9) 77.41,5.65 U2.B32 ; v2(114.41,55.95) 114.9,56.44 ; 10.14,131.66 v6(9.75,131.27) ; J2.E35 v3(131.65,160.75) ; U1.AE1 v2(93.74,62.84) ; v2(110.47,77.6) 110.96,77.11 ; 141.38,30.68 v3(141.38,30.05) ; U2.B7 v3(50.84,7.03) ; J22.C1 v3(105.25,158.25) ; v2(127.2,87.44) 126.71,86.95 ; v3(131.15,16.08) 131.15,15.68 130.79,15.32 U53.5 ; J22.J14 v3(89,165.75) ; v2(118.34,69.73) 117.85,69.24 ; v2(138.03,77.6) 137.54,77.11 ; 108.99,46.6 v2(108.5,46.11) ; v2(132.12,42.17) 131.63,42.66 ; J22.L39 v3(57.75,168.25) ; U1.C42 v2(135.08,85.48) ; v2(123.26,63.82) 122.77,64.31 ; J22.L27 v3(72.75,168.25) ; U1.N39 v2(132.12,75.63) ; 155.86,72.59 v1(155.47,72.2) ; v2(95.71,82.52) U1.F3 ; v2(128.19,42.17) 127.69,42.66 ; J22.M21 v3(80.25,169.5) ; v2(97.67,42.17) U1.BF5 ; v2(136.06,52.99) 135.57,53.49 ; v3(208.35,164.48) 208.36,164.47 DS3.2 ; v2(112.44,44.14) 112.93,44.63 ; 71.68,113.85 v2(71.18,113.35) ; v2(104.56,44.14) 105.06,44.63 ; U1.BB25 v2(118.34,46.11) ; 152.71,87.25 v1(152.32,86.86) ; 130.65,84.98 v2(131.14,85.48) ; 162.16,30.72 v1(162.56,30.32) ; v2(104.56,81.54) 105.06,81.05 ; J22.B38 v3(59,157) ; J22.C5 v3(100.25,158.25) ; U141.L5 v2(89.79,110.55) ; 103.09,86.95 v2(102.6,87.44) ; U1.C36 v2(129.17,85.48) ; U141.G1 v2(85.85,115.47) ; v2(110.47,44.14) 110.96,44.63 ; v2(125.23,76.62) 124.74,76.12 ; J22.C17 v3(85.25,158.25) ; J22.F27 v3(72.75,162) ; v2(123.26,86.46) 122.77,85.97 ; 69.71,109.91 v2(69.22,109.41) ; v2(123.26,52.01) 122.77,52.5 ; 109.98,77.11 v2(109.49,77.6) ; J2.A13 v3(159.15,155.75) ; EMICAGE1.12 v3(228.31,122.57) ; 164.53,72.59 v1(164.92,72.2) ; EMICAGE1.4 v3(169.76,78.52) ; J22.M20 v3(81.5,169.5) ; v2(121.3,68.74) 120.8,68.25 ; 152.71,31.5 v1(152.32,31.11) ; v2(113.42,52.01) 113.91,52.5 ; J22.Y24 v3(76.5,153.25) ; 114.9,82.03 v2(114.41,82.52) ; J2.H36 v3(130.4,164.5) ; 105.06,84.98 v2(104.56,85.48) ; J22.A5 v3(100.25,155.75) ; v2(109.49,42.17) 109.98,42.66 ; v2(110.47,87.44) 110.96,86.95 ; J2.C8 v3(165.4,158.25) ; J2.A20 v3(150.4,155.75) ; J22.L26 v3(74,168.25) ; J22.L35 v3(62.75,168.25) ; J22.H3 v3(102.75,164.5) ; U111.F10 v6(17.62,134.42) ; U141.K6 v2(90.78,111.54) ; C1270.2 v3(84.15,121.92) ; 124.03,139.52 v3(123.23,139.52) ; 154.29,51.14 v1(153.9,51.53) ; v2(112.44,63.82) 112.93,64.31 ; U1.BA1 v2(93.74,47.09) ; J2.C40 v3(125.4,158.25) ; 156.65,72.59 v1(156.26,72.2) ; 15.2,112.49 v3(15.2,111.48) ; J2.C1 v3(174.15,158.25) ; 119.82,71.2 v2(120.31,71.7) ; J22.J29 v3(70.25,165.75) ; U1.BB46 v2(139.01,46.11) ; J2.C33 v3(134.15,158.25) ; J22.D16 v3(86.5,159.5) ; v2(111.45,84.49) 111.95,84 ; J22.D22 v3(79,159.5) ; 125.73,63.33 v2(126.22,62.84) ; J2.E32 v3(135.4,160.75) ; v2(138.03,82.52) U1.F45 ; J2.K2 v3(172.9,167) ; v2(110.47,61.85) 110.96,62.35 ; v2(72.17,119.26) U142.C5 ; J22.H18 v3(84,164.5) ; J22.M32 v3(66.5,169.5) ; 121.79,46.6 v2(122.28,46.11) ; v2(112.44,55.95) 112.93,56.44 ; v2(121.3,55.95) 120.8,56.44 ; 74.63,108.92 v2(75.12,108.43) ; J2.J1 v3(174.15,165.75) ; 117.85,84.98 v2(118.34,85.48) ; J2.B27 v3(141.65,157) ; v2(112.44,77.6) 112.93,77.11 ; v2(132.12,43.15) 131.63,43.64 ; v2(110.47,51.03) 110.96,51.52 ; 119.82,84.98 v2(120.31,85.48) ; U19.22 v3(62.03,144.13) ; v2(113.42,75.63) 113.91,75.14 ; 123.76,46.6 v2(124.25,46.11) ; v2(117.36,83.51) 116.87,83.01 ; U141.G4 v2(88.81,115.47) ; v2(100.63,72.68) 101.12,72.19 ; J22.K3 v3(102.75,167) ; 19.59,126.94 v6(19.98,126.54) ; 129.66,48.57 v2(130.15,48.07) ; 82.26,82.3 v3(81.62,82.3) ; v2(113.42,76.62) 113.91,76.12 ; v2(136.06,83.51) U1.E43 ; 164.53,30.72 v1(164.92,30.32) ; v2(133.11,44.14) 132.62,44.63 ; v2(97.67,48.07) 98.17,48.57 ; J22.E17 v3(85.25,160.75) ; v2(111.45,42.17) 111.95,42.66 ; U53.2 v3(127.04,15.32) ; 155.86,37.02 v1(155.47,37.41) ; 155.08,45.63 v1(154.68,45.24) ; J2.C25 v3(144.15,158.25) ; 115.88,78.09 v2(115.39,78.59) ; U142.J11 v2(79.06,112.37) ; 120.8,60.38 v2(121.3,59.88) ; 152.71,72.59 v1(152.32,72.2) ; J2.B18 v3(152.9,157) ; v2(123.26,87.44) 122.77,86.95 ; U141.C5 v2(89.79,119.41) ; 132.62,85.97 v2(133.11,86.46) ; 116.87,85.97 v2(117.36,86.46) ; J22.M5 v3(100.25,169.5) ; J2.E4 v3(170.4,160.75) ; J2.H12 v3(160.4,164.5) ; 116.87,64.31 v2(117.36,63.82) ; v2(100.63,61.85) U1.AF8 ; 120.75,99.42 v3(120.75,100.17) ; v2(139.01,85.48) U1.C46 ; 139.1,126.36 v3(138.22,126.36) 137.21,126.36 136.74,126.83 137.26,127.35 v3(138.22,127.35) 139.06,127.35 139.57,126.83 139.1,126.36
  TOP w0.5: 18.87,101.98 J31.4 ; J31.4 20.15,102.44 ; J31.4 21.43,101.98 ; J31.4 21.89,100.7 ; J31.4 21.43,99.43 ; J31.2 15.15,102.44 ; J31.2 16.43,101.98 ; J31.2 13.87,99.43 ; J31.2 13.87,101.98 ; J31.2 13.41,100.7 ; 59.25,101.98 J33.4 60.53,102.44 ; J35.5 74.55,126.18 ; J35.5 75.01,127.45 ; J35.5 72,126.18 ; J35.5 73.28,125.72 ; 30.62,101.98 J30.4 ; J30.4 33.64,100.7 ; J30.4 31.9,102.44 ; J30.4 33.18,101.98 ; J30.4 33.18,99.43 ; 78.29,127.45 J34.3 ; J34.3 81.3,126.18 ; J34.3 80.03,125.72 ; J34.3 78.75,126.18 ; 78.29,132.45 J34.2 ; J34.2 80.03,134.19 ; J34.2 78.75,131.18 ; J34.2 78.75,133.73 ; J34.2 81.3,133.73 ; 26.9,93.97 J30.3 ; J30.3 25.62,96.98 ; J30.3 28.18,94.43 ; J30.3 25.16,95.7 ; J30.3 25.62,94.43 ; 56.8,106.18 J32.3 55.53,105.72 ; J34.5 86.76,127.45 ; J34.5 86.3,128.73 ; J34.5 86.3,126.18 ; J34.5 85.03,125.72 ; J34.5 83.75,126.18 ; J34.4 86.3,131.18 ; J34.4 86.76,132.45 ; J34.4 83.75,133.73 ; J34.4 85.03,134.19 ; J34.4 86.3,133.73 ; J32.4 61.8,111.18 ; J32.4 60.53,114.19 ; J32.4 59.25,113.73 ; J32.4 61.8,113.73 ; J32.4 62.26,112.45 ; J35.2 69.55,133.73 ; J35.2 67,131.18 ; J35.2 67,133.73 ; J35.2 66.54,132.45 ; J35.2 68.28,134.19 ; J30.2 26.9,102.44 ; J30.2 28.18,101.98 ; J30.2 25.16,100.7 ; J30.2 25.62,101.98 ; J30.2 25.62,99.43 ; 13.41,95.7 J31.3 ; J31.3 15.15,93.97 ; J31.3 13.87,94.43 ; J31.3 13.87,96.98 ; J31.3 16.43,94.43 ; J35.4 74.55,133.73 ; J35.4 72,133.73 ; J35.4 75.01,132.45 ; J35.4 73.28,134.19 ; J35.4 74.55,131.18 ; 67,128.73 J35.3 69.55,126.18 ; J31.5 21.89,95.7 ; J31.5 18.87,94.43 ; J31.5 20.15,93.97 ; J31.5 21.43,94.43 ; J31.5 21.43,96.98 ; 55.53,93.97 J33.3 ; J33.3 53.79,95.7 ; J33.3 56.8,94.43 ; J33.3 54.25,96.98 ; J33.3 54.25,94.43 ; 30.62,94.43 J30.5 ; J30.5 33.18,96.98 ; J30.5 31.9,93.97 ; J30.5 33.18,94.43 ; J32.5 61.8,106.18 ; J32.5 61.8,108.73 ; J32.5 62.26,107.45 ; J32.5 59.25,106.18 ; J32.5 60.53,105.72 ; 54.25,99.43 J33.2 ; J33.2 53.79,100.7 ; J33.2 55.53,102.44 ; J33.2 54.25,101.98 ; J33.2 56.8,101.98 ; 55.53,114.19 J32.2 56.8,113.73